# Altium PCB DI544.PcbDoc (part 4 of 7) (continued)
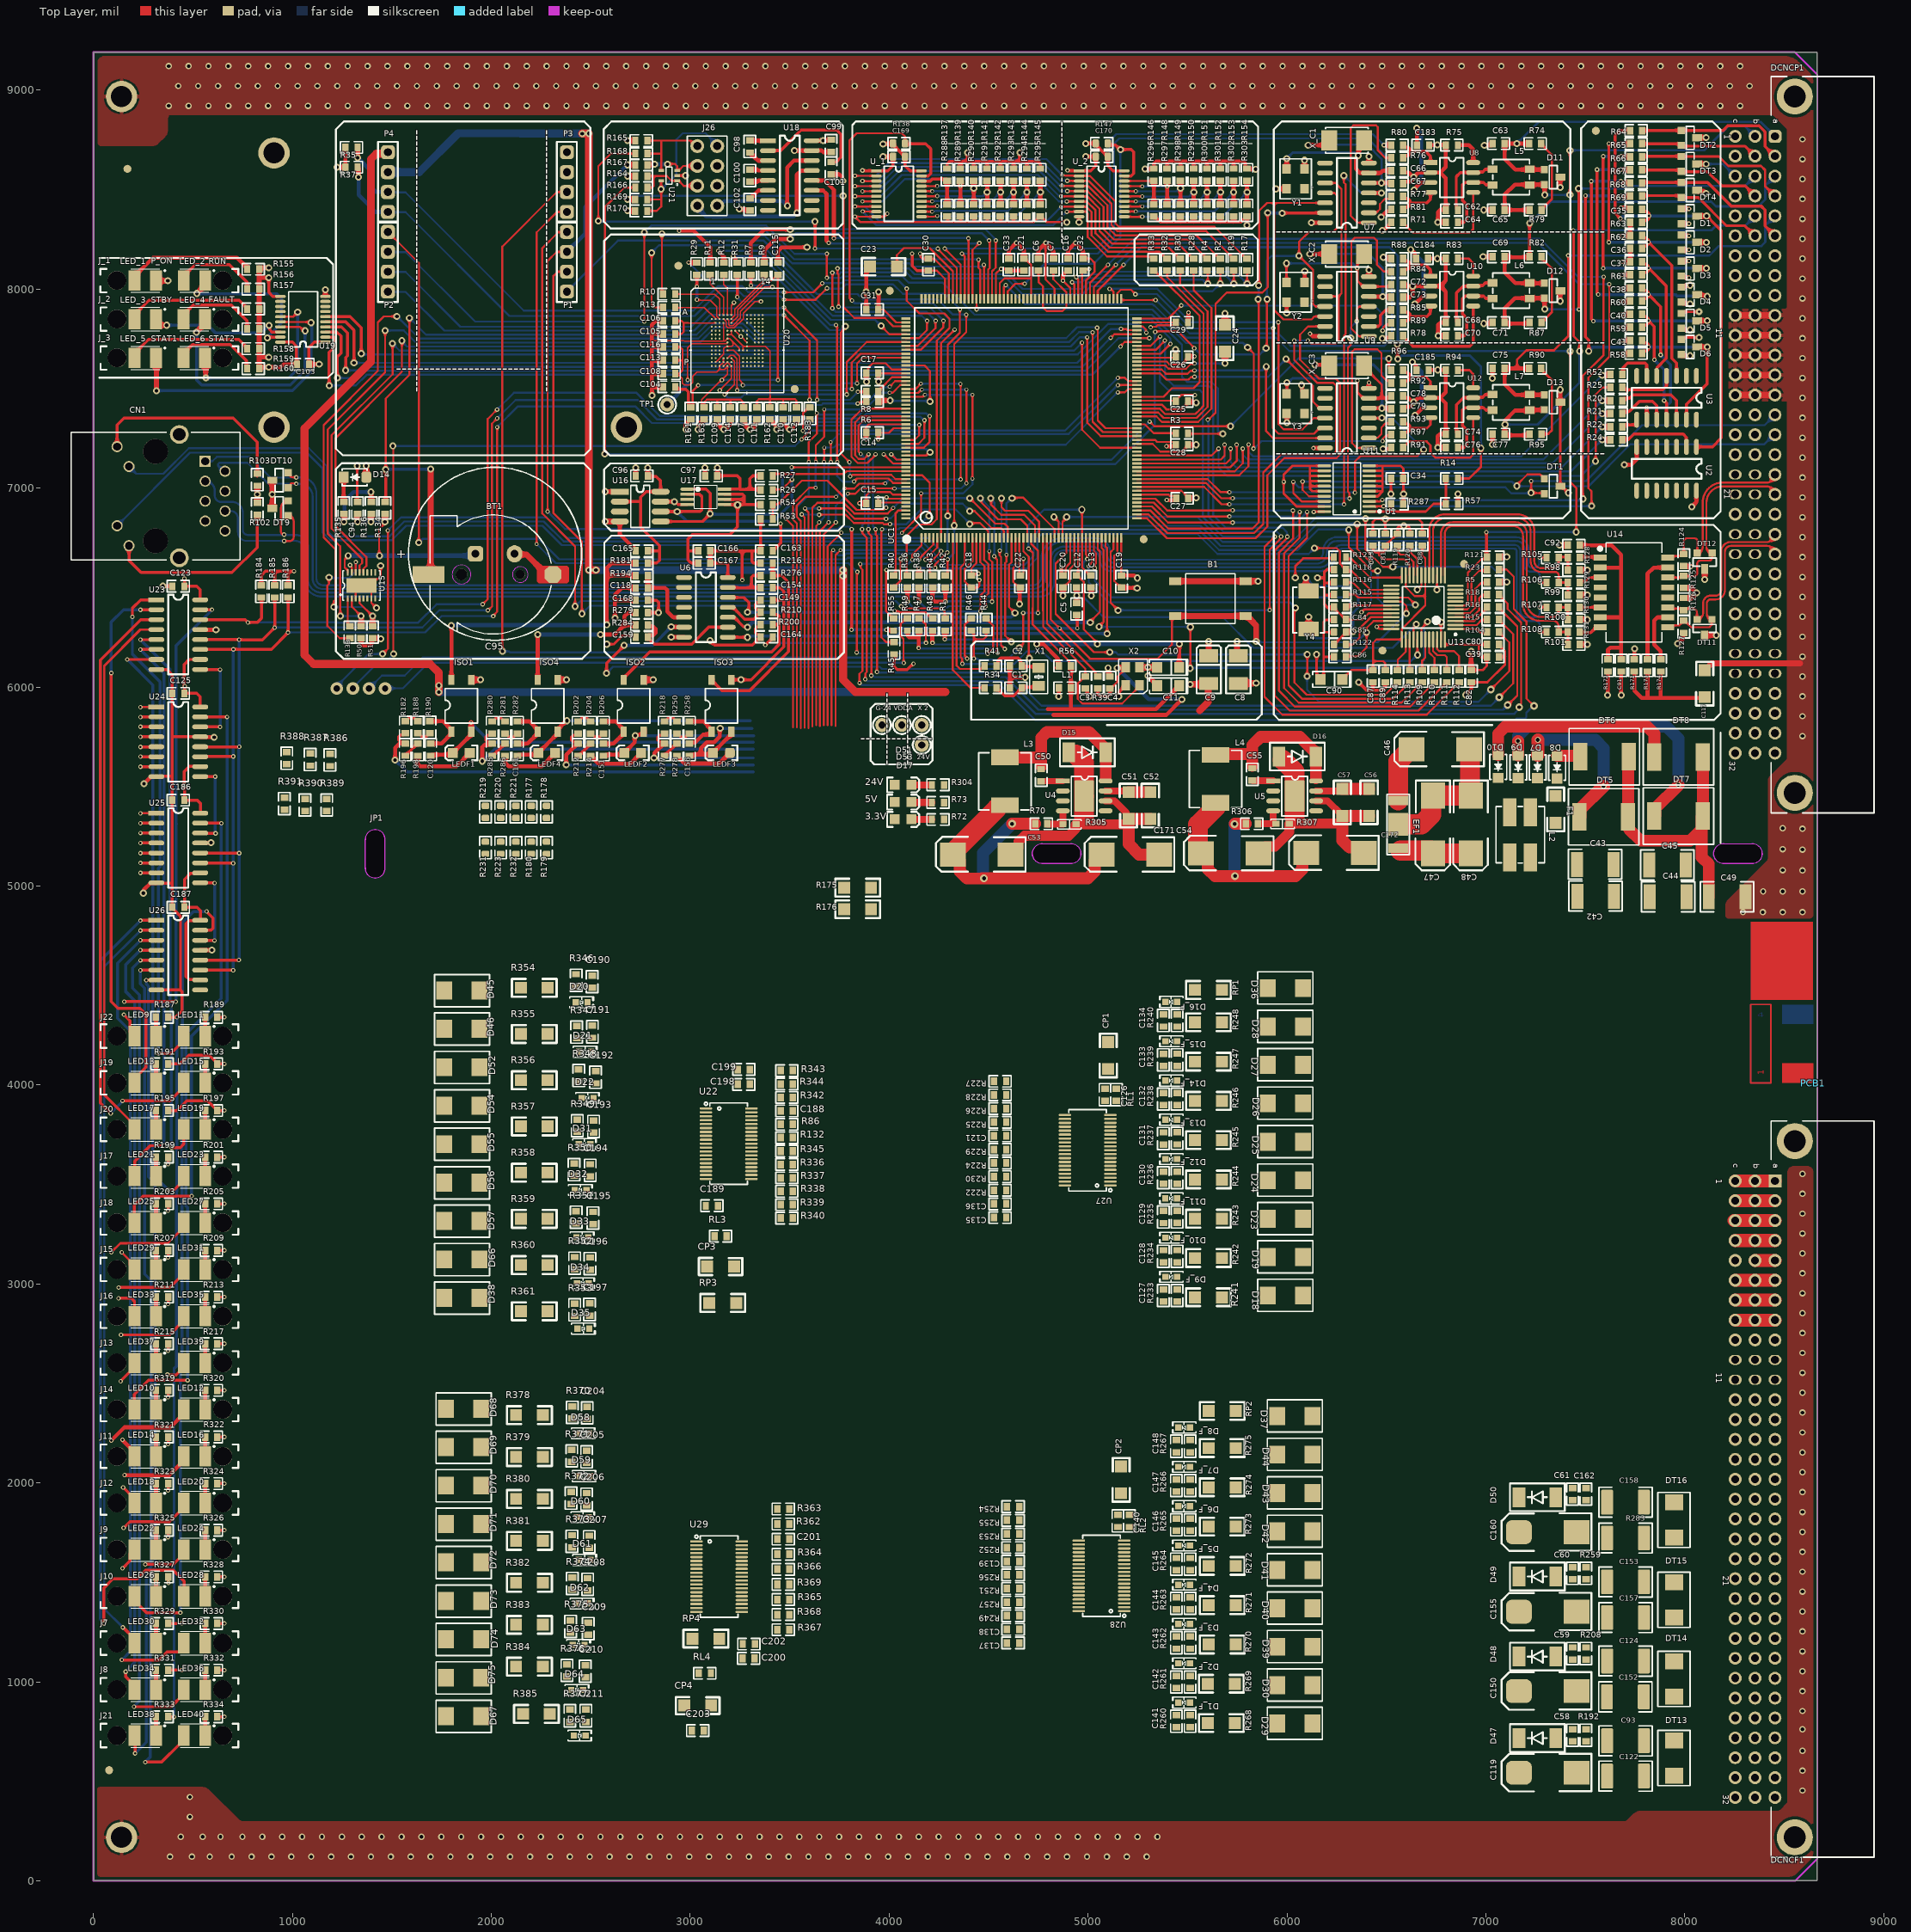
[diagram p0: Top Layer view]
## Nets (pads, with @x,y where several pads share a name; then routed paths per layer and width w, separated by ;. In a path a pad name is that pad's centre, name@x,y a point inside that pad or via, vN(x,y) a via of type N, cw(c..) or ccw(c..) an arc to the next point about the centre after c; other vN are vias at no path point) (continued)
  Top Layer w25: LED_1.K@316.82,8042 v3(374,8042) ; v3@898.81,6971.19 DT10.3@898.81,7039.71 ; DT9.3@898.89,6898.78 v3@898.89,6971 ; v3@2685.57,8394.19 R170.1@2723.02,8394.19 ; v1(3852,6924) 3881.93,6924 3884.04,6926.12 C15.1@3884.04,6928.55 ; C24.2@5689,7821 v3@5689,7874.65 ; v3(7371.06,6713.58) C92.1@7411.41,6713.58 ; DT4.3@8062.44,8498.13 8067.94,8492.63 8093.04,8492.63 8102.57,8483.1 8105.95,8483.1 v10@8107.19,8484.34 ; DT3.3@8062.69,8629.29 v10@8106.69,8629.29 ; DT2.3@8063.49,8762 v10(8107.19,8762) ; DT11.3@8099.27,6260.52 v3@8158.16,6260.52 ; v3(8100.39,6540.35) DT12.3@8100.39,6593.5
  Top Layer w30: P4.4@1480.42,8688.48 P4.4@1484.25,8692.32 ; ISO1.3@1900.2,6036.83 v3@1945.34,6036.83 ; C95.2@2117.43,6670 2121.26,6666.16 2176.84,6666.16 2277.06,6565.94 BT1.2@2291.34,6565.94 ; ISO4.3@2333.96,6036.94 v3@2378.51,6036.94 ; v3@2573.1,6832.59 2573.27,6832.43 U16.4@2646.48,6832.43 ; ISO2.3@2766.72,6036.83 2813.45,6036.83 v3(2814.02,6037.4) v3@2814.97,6038.36 ; X2.2@5259.66,6099.44 v3@5301.15,6099.44 ; v3(5301.18,6099.41) 5301.4,6099.19 5347.89,6099.19 C10.2@5348.1,6098.98 ; B1.4@5438.01,6532.4 B1.1@5792.35,6532.4 5792.5,6532.55 5855.15,6532.55 v3(5855.3,6532.7) ; v3(5513.78,6013.78) C9.2@5583.19,6013.78 ; C8.2@5752.58,6019.69 v3(5845.47,6019.69)
  Top Layer w35: U4.6@5088.5,5428 5133,5428 5191.5,5369.5 5191.5,5349.5 C51.1@5204,5337 ; 5562.07,5882.07 5605,5925 5605,6015.91 C9.2@5607.01,6017.92 ; U5.6@6146.5,5428 6204,5428 C57.1@6274,5358
  Top Layer w40: P4.4@1480.42,8688.48 1473.51,8681.58 1422.72,8681.58 1394.69,8653.54 1394.69,7633.86 1061.02,7300.2 1061.02,6161.42 1106.3,6116.14 1692.91,6116.14 1736.22,6072.83 v3(1736.22,6007.87) v3(1736.22,5974.41)
  Top Layer w50: C53.2@4611,5158 4616,5158 4651,5193 4651,5223.71 4680.29,5253 4903.21,5253 4938.5,5288.29 4938.5,5309.03 R305.1@4940.46,5311 ; 4980,5311 C51.1@5204,5311 ; C171.2@5858,5164 5893,5199 5940,5199 6011.46,5270.46 R307.1@6011.46,5313 6037,5313 ; 6038.21,5314.21 6278.21,5314.21 6279,5315
  Top Layer w60: C52.1@5314,5337 C51.1@5204,5337 5204,5311 5204,5211 5257,5158 C54.2@5359,5158 ; C172.2@6403,5164 6373,5194 6314.15,5194 6279,5229.15 6279,5315 C57.1@6279,5353 C56.1@6414,5353
  Top Layer w100: 4939,5662 4980.21,5620.79 4980.21,5453.79 U4.9@4981,5453 4980.21,5452.21 4980.21,5337.21 4980,5337 ; D16.A@5978.46,5634.46 6039,5573.92 U5.9@6039,5453 6038.21,5452.21 6038.21,5348.71 ; EF1.2@6560,5310 6676.42,5310 6725,5358.58 6725,5445 C47.2@6735,5455 C48.2@6925,5455 6920.5,5459.5 6920.5,5682.5 C46.2@6916,5687
  Mid-Layer 1 w20: 5491,7663 ccw(c5493.64,7665.64) 5493.64,7661.91 v1(5535,7661.91) 5565.57,7661.91 cw(c5565.57,7648.57) 5575,7658
  Mid-Layer 1 w40: DCNCP1.C7@8253.78,8168.5 DCNCP1.C6@8253.78,8268.5 DCNCP1.C5@8253.78,8368.5 DCNCP1.C4@8253.78,8468.5 DCNCP1.C3@8253.78,8568.5
  Bottom Layer w11.81: v10(8107.19,8628.79) 8193.49,8628.79 DCNCP1.C3@8253.78,8568.5
  Bottom Layer w15: v1(405.51,823.82) 405.51,2574.28 417.5,2586.27 417.5,3461.69 420.23,3464.42 420.23,3901.31 419.23,3902.31 v4(419.23,4340.55)
  Bottom Layer w40: P4.4@1473.04,8681.1 P4.4@1480.42,8688.48 1495.42,8703.48 P4.4@1495.74,8703.48 ; v3@1736.22,6008.86 v3(1736.22,6007.87) v3(1736.22,5974.41) 2686.67,5974.41 2687.5,5975.24 4262.95,5975.24
  other v1: 444.5,1059.27 444.5,1293.67 376.96,1497.05 375.85,1727.01 375.85,1961.42 375.85,2195.82 375.85,2430.23 375.85,2664.63 375.85,2899.04 375.85,3133.44 375.85,3367.85 375.85,3602.25 3377.95,6211.61 3883.86,7244.88 3866,8596.98
  other v3: 595.47,4677.51 1945.91,6037.4 2378.98,6037.4 3255.95,6037.4 6149.61,6163.98 1423.23,6398.62 5016.28,6459.57 2572.83,6832.59 6494.19,6845.37 899,6968.95 7415.35,6976.38 2572.83,6982.53 2726.38,7102.36 3074.8,7102.36 5689,7879 3884.84,7986 8026.58,8019.69 4894,8336 3969.96,8666
  other v5: 4937.01,8233.27
  other v12: 8072.83,7886.81
GND-F: C121.1 C135.1 C136.1 C137.1 C138.1 C139.1 C188.1 C198.1 C199.1 C200.1 C201.1 C202.1 R176.2 R226.2 R228.2 R232.2 R253.2 R255.2 R338.2 R340.2 R345.2 R366.2 R368.2 U22.21 U22.25 U22.36 U27.21 U27.25 U27.36 U28.21 U28.25 U28.36 U29.21 U29.25 U29.36 | length 3.5
  Top Layer w9.84: R232.2@2120.75,5162 R232.2@2124.25,5162
GND_EARTH: C42.2 C43.2 C44.2 C45.2 C49.2 C93.2 C117.1 C122.2 C124.2 C152.2 C153.2 C157.2 C158.2 C162.2 DCNCP1.A10 DCNCP1.A11 DCNCP1.A12 DCNCP1.A13 DCNCP1.A14 DCNCP1.B10 DCNCP1.B11 DCNCP1.B12 DCNCP1.B13 DCNCP1.B14 DCNCP1.C10 DCNCP1.C11 DCNCP1.C12 DCNCP1.C13 DCNCP1.C14 pad.1@141.57,218.5 pad.1@141.57,8968.5 | length 1494.5
  Top Layer w30: C117.1@8100.39,6084.8 8134.69,6119.09 8580.71,6119.09 ; DCNCP1.C14@8253.78,7468.5 DCNCP1.B14@8353.78,7468.5 DCNCP1.A14@8453.78,7468.5 ; DCNCP1.C13@8253.78,7568.5 DCNCP1.B13@8353.78,7568.5 DCNCP1.A13@8453.78,7568.5 ; DCNCP1.C12@8253.78,7668.5 DCNCP1.B12@8353.78,7668.5 DCNCP1.A12@8453.78,7668.5 ; DCNCP1.C11@8253.78,7768.5 DCNCP1.B11@8353.78,7768.5 DCNCP1.A11@8453.78,7768.5 ; DCNCP1.C10@8253.78,7868.5 DCNCP1.B10@8353.78,7868.5 DCNCP1.A10@8453.78,7868.5
  other v2: 385,121.39 495,121.39 585,121.39 695,121.39 795,121.39 895,121.39 995,121.39 1095,121.39 1195,121.39 1295,121.39 1395,121.39 1495,121.39 1595,121.39 1695,121.39 1795,121.39 1895,121.39 1995,121.39 2095,121.39 2195,121.39 2295,121.39 2395,121.39 2495,121.39 2595,121.39 2695,121.39 2795,121.39 2895,121.39 2995,121.39 3095,121.39 3195,121.39 3295,121.39 3395,121.39 3495,121.39 3595,121.39 3695,121.39 3795,121.39 3895,121.39 3995,121.39 4095,121.39 4195,121.39 4295,121.39 4395,121.39 4495,121.39 4595,121.39 4695,121.39 4795,121.39 4895,121.39 4995,121.39 5095,121.39 5195,121.39 5295,121.39 439,221.39 549,221.39 639,221.39 749,221.39 849,221.39 949,221.39 1049,221.39 1149,221.39 1249,221.39 1349,221.39 1449,221.39 1549,221.39 1649,221.39 1749,221.39 1849,221.39 1949,221.39 2049,221.39 2149,221.39 2249,221.39 2349,221.39 2449,221.39 2549,221.39 2649,221.39 2749,221.39 2849,221.39 2949,221.39 3049,221.39 3149,221.39 3249,221.39 3349,221.39 3449,221.39 3549,221.39 3649,221.39 3749,221.39 3849,221.39 3949,221.39 4049,221.39 4149,221.39 4249,221.39 4349,221.39 4449,221.39 4549,221.39 4649,221.39 4749,221.39 4849,221.39 4949,221.39 5049,221.39 5149,221.39 5249,221.39 5349,221.39 485,321.39 485,421.39 8592,453.51 8592,553.51 8592,653.51 8592,761.39 8592,853.51 8592,953.51 8592,1053.51 8592,1153.51 8592,1253.51 8592,1353.51 8592,1453.51 8592,1553.51 8592,1653.51 8592,1753.51 8592,1853.51 8592,1953.51 8592,2053.51 8592,2153.51 8592,2253.51 8592,2353.51 8592,2453.51 8592,2553.51 8592,2653.51 8592,2753.51 8592,2853.51 8592,2953.51 8592,3053.51 8592,3153.51 8592,3253.51 8592,3353.51 8592,3453.51 8592,3553.51 8292.75,4868.55 8392.5,4868.55 8492.25,4868.55 8592,4868.55 8394.14,4973.41 8492.75,4973.41 8592,4973.41 8592,5078.27 8492.75,5079.77 8592,5183.14 8492.75,5185.39 8592,5288 8492.75,5291 8592,5753.51 8592,5853.51 8592,5953.51 8592,6053.51 8592,6153.51 8592,6253.51 8592,6353.51 8592,6453.51 8592,6553.51 8592,6653.51 8592,6753.51 8592,6853.51 8592,6953.51 8592,7053.51 8592,7153.51 8592,7253.51 8592,7353.51 8592,7453.51 8592,7553.51 8592,7653.51 8592,7753.51 8592,7853.51 8592,7953.51 8592,8053.51 8592,8153.51 8592,8253.51 8592,8353.51 8592,8453.51 8592,8553.51 8592,8653.51 8592,8753.51 378.42,8921.39 478.42,8921.39 578.42,8921.39 678.42,8921.39 778.42,8921.39 878.42,8921.39 978.42,8921.39 1078.42,8921.39 1178.42,8921.39 1278.42,8921.39 1378.42,8921.39 1478.42,8921.39 1578.42,8921.39 1678.42,8921.39 1778.42,8921.39 1878.42,8921.39 1978.42,8921.39 2078.42,8921.39 2178.42,8921.39 2278.42,8921.39 2378.42,8921.39 2478.42,8921.39 2578.42,8921.39 2678.42,8921.39 2778.42,8921.39 2878.42,8921.39 2978.42,8921.39 3078.42,8921.39 3178.42,8921.39 3278.42,8921.39 3378.42,8921.39 3478.42,8921.39 3578.42,8921.39 3678.42,8921.39 3778.42,8921.39 3878.42,8921.39 3978.42,8921.39 4078.42,8921.39 4178.42,8921.39 4278.42,8921.39 4378.42,8921.39 4478.42,8921.39 4578.42,8921.39 4678.42,8921.39 4778.42,8921.39 4878.42,8921.39 4978.42,8921.39 5078.42,8921.39 5178.42,8921.39 5278.42,8921.39 5378.42,8921.39 5478.42,8921.39 5578.42,8921.39 5678.42,8921.39 5778.42,8921.39 5878.42,8921.39 5978.42,8921.39 6078.42,8921.39 6178.42,8921.39 6278.42,8921.39 6378.42,8921.39 6478.42,8921.39 6578.42,8921.39 6678.42,8921.39 6778.42,8921.39 6878.42,8921.39 6978.42,8921.39 7078.42,8921.39 7178.42,8921.39 7278.42,8921.39 7378.42,8921.39 7478.42,8921.39 7578.42,8921.39 7678.42,8921.39 7778.42,8921.39 7878.42,8921.39 7978.42,8921.39 8078.42,8921.39 8178.42,8921.39 8278.42,8921.39 426.42,9021.39 526.42,9021.39 626.42,9021.39 726.42,9021.39 826.42,9021.39 926.42,9021.39 1026.42,9021.39 1126.42,9021.39 1226.42,9021.39 1326.42,9021.39 1426.42,9021.39 1526.42,9021.39 1626.42,9021.39 1726.42,9021.39 1826.42,9021.39 1926.42,9021.39 2026.42,9021.39 2126.42,9021.39 2226.42,9021.39 2326.42,9021.39 2426.42,9021.39 2526.42,9021.39 2626.42,9021.39 2726.42,9021.39 2826.42,9021.39 2926.42,9021.39 3026.42,9021.39 3126.42,9021.39 3226.42,9021.39 3326.42,9021.39 3426.42,9021.39 3526.42,9021.39 3626.42,9021.39 3726.42,9021.39 3826.42,9021.39 3926.42,9021.39 4026.42,9021.39 4126.42,9021.39 4226.42,9021.39 4326.42,9021.39 4426.42,9021.39 4526.42,9021.39 4626.42,9021.39 4726.42,9021.39 4826.42,9021.39 4926.42,9021.39 5026.42,9021.39 5126.42,9021.39 5226.42,9021.39 5326.42,9021.39 5426.42,9021.39 5526.42,9021.39 5626.42,9021.39 5726.42,9021.39 5826.42,9021.39 5926.42,9021.39 6026.42,9021.39 6126.42,9021.39 6226.42,9021.39 6326.42,9021.39 6426.42,9021.39 6526.42,9021.39 6626.42,9021.39 6726.42,9021.39 6826.42,9021.39 6926.42,9021.39 7026.42,9021.39 7126.42,9021.39 7226.42,9021.39 7326.42,9021.39 7426.42,9021.39 7526.42,9021.39 7626.42,9021.39 7726.42,9021.39 7826.42,9021.39 7926.42,9021.39 8026.42,9021.39 8126.42,9021.39 8226.42,9021.39 8326.42,9021.39 378.42,9121.39 478.42,9121.39 578.42,9121.39 678.42,9121.39 778.42,9121.39 878.42,9121.39 978.42,9121.39 1078.42,9121.39 1178.42,9121.39 1278.42,9121.39 1378.42,9121.39 1478.42,9121.39 1578.42,9121.39 1678.42,9121.39 1778.42,9121.39 1878.42,9121.39 1978.42,9121.39 2078.42,9121.39 2178.42,9121.39 2278.42,9121.39 2378.42,9121.39 2478.42,9121.39 2578.42,9121.39 2678.42,9121.39 2778.42,9121.39 2878.42,9121.39 2978.42,9121.39 3078.42,9121.39 3178.42,9121.39 3278.42,9121.39 3378.42,9121.39 3478.42,9121.39 3578.42,9121.39 3678.42,9121.39 3778.42,9121.39 3878.42,9121.39 3978.42,9121.39 4078.42,9121.39 4178.42,9121.39 4278.42,9121.39 4378.42,9121.39 4478.42,9121.39 4578.42,9121.39 4678.42,9121.39 4778.42,9121.39 4878.42,9121.39 4978.42,9121.39 5078.42,9121.39 5178.42,9121.39 5278.42,9121.39 5378.42,9121.39 5478.42,9121.39 5578.42,9121.39 5678.42,9121.39 5778.42,9121.39 5878.42,9121.39 5978.42,9121.39 6078.42,9121.39 6178.42,9121.39 6278.42,9121.39 6378.42,9121.39 6478.42,9121.39 6578.42,9121.39 6678.42,9121.39 6778.42,9121.39 6878.42,9121.39 6978.42,9121.39 7078.42,9121.39 7178.42,9121.39 7278.42,9121.39 7378.42,9121.39 7478.42,9121.39 7578.42,9121.39 7678.42,9121.39 7778.42,9121.39 7878.42,9121.39 7978.42,9121.39 8078.42,9121.39 8178.42,9121.39 8278.42,9121.39
IICSCL: R26.2 U16.6 U17.2 UC1.195 | length 1865.5
  Top Layer w10: R26.2@3415.43,6989.36 3418.93,6992.86 3461.37,6992.86 v1(3511.81,7043.31) ; v1(3509.84,7104.33) 3510.01,7104.5 4084.31,7104.5 UC1.195@4084.48,7104.67
  Top Layer w15: U16.6@2851.48,6882.43 3050.27,6882.43 3059.06,6891.22 3059.06,6957.68 3047.91,6968.82 U17.2@2984.29,6968.82
  Bottom Layer w15: v3(2934.7,6881.89) 2983.91,6832.68 3417.89,6832.68 3511.81,6926.59 v1(3511.81,7043.31) 3510.83,7044.29 3510.83,7103.35 v1(3509.84,7104.33)
IICSDA: R27.2 U16.5 U17.1 UC1.196 | length 1707
  Top Layer w10: R27.2@3415.43,7061.68 3425.6,7071.85 v1(3464.57,7071.85) 3465.22,7071.2 3772.91,7071.2 3786.69,7084.99 UC1.196@4084.48,7084.99
  Top Layer w15: U16.5@2851.48,6832.43 3061.58,6832.43 3100.39,6871.25 v3(3100.39,6872.05) 3100.39,6974.41 3080.02,6994.79 U17.1@2984.29,6994.79
  Bottom Layer w15: v3(3100.39,6872.05) 3103.35,6869.09 3408.09,6869.09 3464.57,6925.57 v1(3464.57,7071.85)
LED1: U19.2 UC1.98 | length 4454.9
  Top Layer w10: v1(5163.39,7711.61) 5163.39,7713.73 5184.25,7734.59 UC1.98@5245.9,7734.59
  Top Layer w15: U19.2@1166.38,7759.41 1207.26,7759.41 1217.37,7749.3 1217.37,7715.41 1185.04,7683.07 v3(1185.04,7515.75)
  Bottom Layer w10: v3(1185.04,7515.75) 1318.9,7515.75 1373.03,7569.88 3148.64,7569.88 3148.68,7569.92 3170.22,7569.92 3170.26,7569.88 5021.65,7569.88 v1(5163.39,7711.61)
LED2: U19.3 UC1.99 | length 4533.5
  Top Layer w10: UC1.99@5245.9,7754.28 5246.07,7754.11 5308.88,7754.11 v1(5309.06,7753.94)
  Top Layer w15: U19.3@1166.38,7785 1166.53,7784.85 1224.15,7784.85 1244.78,7764.22 1244.78,7678.87 1226.71,7660.8 v3(1226.71,7553.81)
  Bottom Layer w10: v3(1226.71,7553.81) 1326.44,7553.81 1362.56,7589.92 4989.15,7589.92 5145.14,7745.91 5145.61,7745.91 5153.47,7753.77 5308.88,7753.77 v1(5309.06,7753.94)
LED3: U19.4 UC1.100 | length 4370.3
  Top Layer w10: v1(5114.17,7755.91) 5132.23,7773.96 UC1.100@5245.9,7773.96
  Top Layer w15: U19.4@1166.38,7810.59 1246.41,7810.59 1276.57,7780.43 1276.57,7665.35 1268.37,7657.15 v3(1268.37,7591.86)
  Bottom Layer w10: v3(1268.37,7591.86) 1334.97,7591.86 1353.03,7609.92 4972.85,7609.92 5044.41,7681.48 5044.41,7686.14 v1(5114.17,7755.91)
LED4: U19.5 UC1.101 | length 4334.1
  Top Layer w10: v1(5166.34,7799.96) 5167.33,7798.97 5192.34,7798.97 5197.34,7793.97 5245.58,7793.97 UC1.101@5245.9,7793.65
  Top Layer w15: U19.5@1166.38,7836.18 1267.82,7836.18 1310.04,7793.96 v3(1310.04,7629.92)
  Bottom Layer w10: v3(1310.04,7629.92) 4945.92,7629.92 5115.96,7799.96 v1(5166.34,7799.96)
LED5: U19.6 UC1.102 | length 4433
  Top Layer w10: UC1.102@5245.9,7813.33 5246.38,7812.85 5276.15,7812.85 5291.22,7797.78 5291.22,7784.21 v1(5293.51,7781.91)
  Top Layer w15: U19.6@1166.38,7861.77 1291.23,7861.77 1346.46,7806.54 v3(1346.46,7676.18)
  Bottom Layer w10: v3(1346.46,7676.18) 1351.04,7671.6 4948.17,7671.6 5102.54,7825.96 5249.46,7825.96 v1(5293.51,7781.91)
NetB1_2: B1.2 B1.3 C5.2 P1.2 R55.1 R167.1 U13.29 UC1.34 | length 8030.1
  Top Layer w10: v1(2283.15,6882.56) 2283.15,8141.42 2329.73,8188 P1.2@2380.42,8188 ; UC1.34@4812.83,6750.34 4812.83,6339.73 4856.24,6296.32 v4(4857.28,6296.32) ; v4@4857.28,6295.28 5009.86,6142.7 5350.7,6142.7 5422,6214 5422,6342.4 5437,6357.4 B1.3@5438.01,6357.4 ; U13.29@6524.4,6430.16 6524.74,6429.81 6578.06,6429.81 6600.39,6407.48 v3(6600.39,6370.08)
  Top Layer w15: v1@3812,6289 3811.5,6289.5 3811.5,6793.42 v1(3812,6793.92) ; C5.2@4942.89,6362.38 4945.89,6359.37 4945.89,6297.27 v4(4946.85,6296.32)
  Top Layer w20: v1(3987.2,6288.45) 3987.59,6288.07 4018.74,6288.07 R55.1@4023.02,6283.78
  Top Layer w25: v3(2684.85,8625) R167.1@2723.5,8625
  Top Layer w30: B1.3@5438.01,6357.4 B1.2@5792.35,6357.4 5802.35,6357.4 5807.35,6352.4 5807.35,6348.28 5845.47,6310.16 v3(5845.47,6230.32)
  Bottom Layer w10: v1(2283.15,6882.56) 2370.36,6795.34 3742.82,6795.34 3754.19,6806.7 3799.22,6806.7 v1(3812,6793.92) ; v3@5845.47,6226.38 5846.46,6225.39 6455.71,6225.39 v3(6600.39,6370.08)
  Bottom Layer w15: v1@3811.45,6288.45 v1(3987.2,6288.45) 4021.75,6288.45 4029.61,6296.32 v4(4946.85,6296.32)
  Bottom Layer w20: P1.2@2380.42,8188 2472.44,8280.01 2472.44,8412.59 v3(2684.85,8625)
  other v1: 3811,6288
NetBT1_1: BT1.1 R134.2 UC1.6 | length 5656.6
  Top Layer w10: v3(1469.49,7094.49) 1469.49,7450.79 1588.58,7569.88 v3(1588.58,7855.32) ; UC1.6@4261.65,6750.34 4261.82,6750.52 4261.82,7728.8 v1(4329.86,7796.84)
  Top Layer w15: R134.2@1465.53,6931.16 1469.49,6935.12 v3(1469.49,7094.49)
  Top Layer w30: BT1.1@1694.88,6556.1 v3(1694.88,7095.47)
  Bottom Layer w10: v3(1588.58,7855.32) 1672.3,7771.6 3031.6,7771.6 3107.76,7847.76 3275.28,7847.76 3349.03,7774 4307.02,7774 v1(4329.86,7796.84)
  Bottom Layer w15: v3@1475.39,7094.49 1475.89,7094.98 1694.39,7094.98 v3(1694.88,7095.47)
NetC1_2: C1.2 R34.1 X1.2 | length 249.3
  Top Layer w15: R34.1@4540.89,5996.56 4581.45,5956 4627.25,5956 4671.3,6000.06 4746.76,6000.06 X1.2@4752.71,6006.01
NetC2_2: C2.2 R41.1 X1.1 | length 278.8
  Top Layer w15: R41.1@4540.89,6106.02 4549.11,6114.24 4549.11,6135.11 4561,6147 4649,6147 4660.23,6135.77 4660.23,6118.02 4664.59,6113.66 4667.8,6113.66 4667.8,6102.52 4746.76,6102.52 X1.1@4752.71,6096.57
NetC3_2: C3.2 UC1.32 X2.1 | length 1276.4
  Top Layer w10: 4773.14,6524.13 4773.14,6385.1 4774.44,6383.8 4774.44,6304.3 4986.73,6092.01 C3.2@4986.73,6053.29 4983.23,6053.29 4948.33,6018.39 4948.33,5940.67 4972,5917 5170.91,5917 5242.5,5988.6 5243.12,5988.6 5256.62,6002.1 X2.1@5256.62,6009.1 ; 4773.46,6524.13 UC1.32@4773.46,6750.34
NetC4_2: "X 2.1" C4.2 R39.1 X2.3 | length 1379.4
  Top Layer w10: R39.1@5048.52,5992.29 R39.1@5049.21,5991.59 ; C4.2@5110.31,5992.29 5113.81,5992.29 5147,6025.47 5147,6051.79 5172.56,6077.35 5172.56,6082.98 X2.3@5189.06,6099.48
  Top Layer w15: R39.1@5049.21,5991.59 5049.21,5963.58 5058.07,5954.72 5102.36,5954.72 5110.31,5962.67 C4.2@5110.31,5992.29
  Top Layer w19.68: 4826.09,5860 5393.5,5860 v3(5472,5938.5)
  Top Layer w25: v3(5147.64,6096.44) 5149.16,6097.96 5187.54,6097.96 X2.3@5189.06,6099.48
  Bottom Layer w19.68: v3(5147.64,6096.44) 5305.58,5938.5 v3(5472,5938.5)
NetC23_1: C23.1 UC1.148 | length 541.5
  Top Layer w10: C23.1@4039.43,8113.7 4039.43,8171.43 4075,8207 4204.42,8207 4320.7,8090.72 UC1.148@4320.7,7951.13
NetC24_1: C24.1 UC1.92 | length 556
  Top Layer w10: UC1.92@5245.9,7616.48 5388.52,7616.48 5404.61,7600.39 5493.11,7600.39 5517.41,7624.7 5532.73,7624.7 v1(5535,7626.97) ; C24.1@5689,7686 C24.1@5714,7661
  Top Layer w25: v3(5689,7627) C24.1@5689,7686
  Bottom Layer w10: v1@5535,7625 5536,7626 5688,7626 v3(5689,7627)
NetC35_2: C35.2 D1.3 R63.1 R64.2 U2.1 | length 2402.2
  Top Layer w15: v1(7677,8355) 7649.5,8382.5 7649.5,8773.5 7673,8797 7724.4,8797 R64.2@7724.91,8797.51 ; C35.2@7785.92,8402.03 7785.92,8398.53 7794.42,8390.03 7812.18,8390.03 7820.97,8381.25 v1(7820.97,8368.65) 7820.97,8356.05 7812.18,8347.26 7794.5,8347.26 7786,8338.76 R63.1@7786,8336.12 ; U2.1@8062.94,7207.68 8139.68,7207.68 8184,7252 8184,8294.03 v10(8110.03,8368)
  Top Layer w25: D1.3@8063.72,8368 v10(8110.03,8368)
  Bottom Layer w15: v1(7677,8355) 7690.65,8368.65 v1(7820.97,8368.65) 7821.29,8368.32 8109.71,8368.32 v10(8110.03,8368)
NetC36_2: C36.2 D2.3 R62.1 R65.2 U3.3 | length 1976.6
  Top Layer w15: v1@7618,8236 7618.5,8236.5 7618.5,8731.5 v1(7619,8732) ; v1@7677,8733 v1@7677.7,8732.3 ; R65.2@7724.38,8732.3 R65.2@7725.08,8731.6 ; C36.2@7786,8204.3 7786,8207.8 7794.5,8216.3 7805.71,8216.3 7816.66,8227.25 7816.66,8235.16 v1(7818,8236.5) ; R62.1@7786,8269.12 7786,8266.71 7794.5,8258.21 7805.71,8258.21 7817.88,8246.04 7817.88,8236.61 v1(7818,8236.5) ; U3.3@7958.79,7564.2 7958.79,7628.81 7935,7652.6 7935,8119.5 v1(7818,8236.5)
  Top Layer w20: v1@7677.7,8732.3 R65.2@7724.38,8732.3
  Top Layer w25: D2.3@8062.44,8235.31 v3(8108.56,8235.31)
  Bottom Layer w15: v1@7618,8236 7618.25,8236.25 7817.75,8236.25 v1(7818,8236.5) ; v1(7619,8732) 7619.5,8732.5 7676.5,8732.5 v1@7677,8733 ; v1@7817.26,8236.38 7817.73,8235.91 8107.97,8235.91 v3(8108.56,8235.31)
  other v1: 7618.98,8236 7678.97,8732
NetC37_2: C37.2 D3.3 R61.1 R66.2 U3.5 | length 1953.3
  Top Layer w15: v1(7590,8668) 7590,8105.11 v1(7590.11,8105) ; v1@7678,8668 v1@7678.96,8667.04 ; R66.2@7723.72,8667.04 R66.2@7725.08,8665.68 ; R61.1@7786,8075.09 7794.5,8083.59 7807.21,8083.59 7816,8092.37 ; C37.2@7786,8135.15 7786,8134.89 7794.5,8126.39 7805.42,8126.39 v1@7815.62,8116.19 ; v1@7818,8098 v1(7818,8106.03) 7822.01,8102.01 7907.48,8016.55 7907.48,7652.56 7860.51,7605.59 7860.51,7559.15 U3.5@7859.25,7557.89 ; D3.3@8062.44,8103.9 D3.3@8063.18,8104.64
  Top Layer w20: v1@7678.96,8667.04 R66.2@7723.72,8667.04
  Top Layer w25: D3.3@8063.18,8104.64 v3(8109.3,8104.64)
  Bottom Layer w15: v1(7590,8668) v1@7677,8668 ; v1(7590.11,8105) 7590.62,8105.51 7817.49,8105.51 v1(7818,8106.03) ; v1@7818,8105.7 7818.37,8105.34 8108.6,8105.34 v3(8109.3,8104.64)
  other v1: 7678.97,8668
NetC38_2: C38.2 D4.3 R60.1 R67.2 U3.9 | length 2286.3
  Top Layer w15: v1@7559,8602 7559,7981 7565.11,7974.89 v1(7565.11,7973) ; v1@7677,8602 v1@7677.96,8601.04 ; R67.2@7723.81,8601.04 R67.2@7725.08,8599.77 ; R60.1@7786,7942.94 7786,7943.56 7794.5,7952.06 7807.21,7952.06 7816,7960.85 7816,7985.04 7807.21,7993.82 7794.5,7993.82 7786,8002.32 C38.2@7786,8004.68 ; U3.9@7808.92,7337.85 U3.9@7809.06,7337.71 ; v1@7808.92,7404.39 v1(7809.06,7404.53) ; v1(7818,7973.24) 7879,7912.24 v1(7878.98,7670)
  Top Layer w20: v1@7677.96,8601.04 R67.2@7723.81,8601.04 ; U3.9@7808.92,7337.85 v1@7808.92,7404.39
  Top Layer w25: D4.3@8062.44,7972.49 8067.94,7966.99 8107.31,7966.99 8110.48,7963.82 v3(8113.19,7963.82)
  Bottom Layer w15: v1(7559,8601.02) v1(7678.97,8601.02) ; v1(7565.11,7973) 7565.23,7973.12 7817.96,7973.12 7818.08,7973 7818.32,7973.24 7953.38,7973.24 7961.5,7965.12 8039.1,7965.12 8040.4,7963.82 v3@8104.82,7963.82 ; v1(7809.06,7404.53) 7809.9,7403.68 7900.68,7403.68 7929,7432 7929,7620 v1(7878.98,7670)
NetC40_2: C40.2 D5.3 R59.1 R68.2 U3.11 | length 2179.5
  Top Layer w15: v1(7530,8542.98) 7530,7852 7540.11,7841.89 v1(7540.11,7840) ; v1@7677,8542.98 v1@7678.35,8542.98 ; R68.2@7725.01,8533.93 R68.2@7725.08,8533.86 ; R59.1@7786,7810.97 7786,7812.03 7794.5,7820.53 7809.68,7820.53 7818.47,7829.32 v1@7818.47,7840.09 ; C40.2@7786,7874.74 7786,7871.24 7794.5,7862.74 7806.21,7862.74 7816.54,7852.41 7816.54,7842.45 7847,7811.99 v1(7847,7645) ; v1(7896,7440.5) 7896,7439.67 7908.46,7427.2 U3.11@7908.46,7327.81 ; D5.3@8062.23,7841.02 D5.3@8062.75,7841.54
  Top Layer w20: v1@7678.35,8542.98 7687.41,8533.93 R68.2@7725.01,8533.93
  Top Layer w25: D5.3@8062.75,7841.54 v3@8109.54,7841.54
  Bottom Layer w15: v1(7530,8542.98) v1@7677,8542.98 ; v1(7540.11,7840) 7540.85,7840.74 7816.76,7840.74 v1(7817.5,7841.49) ; v1@7817.66,7841.33 7817.85,7841.52 v3@8109.52,7841.52 ; v1(7847,7645) 7896,7596 v1(7896,7440.5)
  other v1: 7678.97,8542.98
  other v3: 8113.19,7841.54
NetC41_2: C41.2 D6.3 R58.1 R69.2 U3.13 | length 2182.3
  Top Layer w15: v1(7501,8470) 7501,7759.83 7517.72,7743.11 7517.72,7695.09 v3@7511.61,7688.98 ; v1@7678,8469 v1@7678.53,8468.47 ; R69.2@7724.56,8468.47 R69.2@7725.08,8467.95 ; R58.1@7786,7677 7786,7680.5 7794.5,7689 7809.21,7689 7818,7697.79 v1@7818,7705.25 ; C41.2@7786,7742.24 7786,7738.74 7794.5,7730.24 7809.21,7730.24 7818,7721.45 v1(7818,7709.62) ; U3.13@8008.79,7344.2 8008.79,7421.19 8113.19,7525.59 v3(8113.19,7709.65) ; D6.3@8062.44,7709.68 D6.3@8062.78,7709.34
  Top Layer w20: v1@7678.53,8468.47 R69.2@7724.56,8468.47 ; v3@8112.88,7709.34 v3(8113.19,7709.65)
  Top Layer w25: D6.3@8062.78,7709.34 v3@8112.88,7709.34
  Bottom Layer w15: v1(7501,8470) v1@7677,8470 ; v3(7517.72,7688.98) 7538.36,7709.62 v1(7818,7709.62) ; v1(7818,7709.62) v3(8113.19,7709.65)
  other v1: 7678.97,8470
NetC47_1: C47.1 C48.1 EF1.1 L2.4 | length 375.5
  Top Layer w100: EF1.1@6571.37,5178.56 6725,5178.56 6735,5168.56 C47.1@6735,5165 ; C47.1@6745,5155 C47.1@6735,5165 ; C48.1@6925,5165 C47.1@6735,5165
NetC50_1: C50.1 D15.K L3.1 U4.8 | length 830.1
  Top Layer w60: L3.1@4583,5645.79 4755.79,5645.79 ; C50.1@4765,5603 4765,5745.71 4794.29,5775 5004.5,5775 5089,5690.5 D15.K@5089,5672 5089,5547
NetC50_2: C50.2 U4.1 | length 108.9
  Top Layer w30: C50.2@4765,5527 4765.5,5527.5 4873,5527.5 U4.1@4873.5,5528
NetC55_1: C55.1 D16.K L4.1 U5.8 | length 790.4
  Top Layer w60: L4.1@5641,5663 5819,5663 5826,5656 ; C55.1@5826,5604 5826,5656 ; D16.K@6145,5673 6142,5676 6138.5,5676 6064.5,5750 5868,5750 5826,5708 5826,5656 ; 6145.75,5542 D16.K@6145.75,5672.25
NetC55_2: C55.2 U5.1 | length 106.7
  Top Layer w20: C55.2@5826,5531 C55.2@5827.5,5529.5 ; U5.1@5930,5529.5 U5.1@5931.5,5528
  Top Layer w35: C55.2@5827.5,5529.5 U5.1@5930,5529.5
NetC58_1: C58.1 D47.A R192.2
NetC59_1: C59.1 D48.A R208.2
NetC60_1: C60.1 D49.A R259.2
NetC61_1: C61.1 D50.A R283.2
NetC62_2: C62.2 L5.1 U8.7 | length 369
  Top Layer w15: C62.2@6860,8398 6851.5,8406.5 6851.5,8418.69 6851.4,8418.79 6851.4,8565.4 6872.38,8586.38 U8.7@6936.5,8586.38 6939.02,8588.9 6983.9,8588.9 6997.74,8602.74 L5.1@7033.99,8602.74
NetC63_2: C63.2 D11.1 DCNCP1.A1 L5.4 R74.2 | length 1794.3
  Top Layer w20: R74.2@7218,8732 v3(7156.5,8732) C63.2@7095,8732 7095,8655 7149,8601 D11.1@7294.5,8601
  Bottom Layer w11.81: v3(7156.5,8732) 7265.5,8841 8381.28,8841 DCNCP1.A1@8453.78,8768.5
NetC64_1: C64.1 L5.2 U8.6 | length 395.4
  Top Layer w15: C64.1@6860,8337 6892,8337 6905,8350 6905,8425 6881.81,8448.19 6881.81,8522.35 6895.36,8535.9 6935.86,8535.9 U8.6@6936.41,8536.46 ; U8.6@6936.5,8536.38 6988.62,8536.38 7000,8525 7032.99,8525 L5.2@7033.99,8524